# KiCad board type-c-card_lexxpluss_2023.kicad_pcb
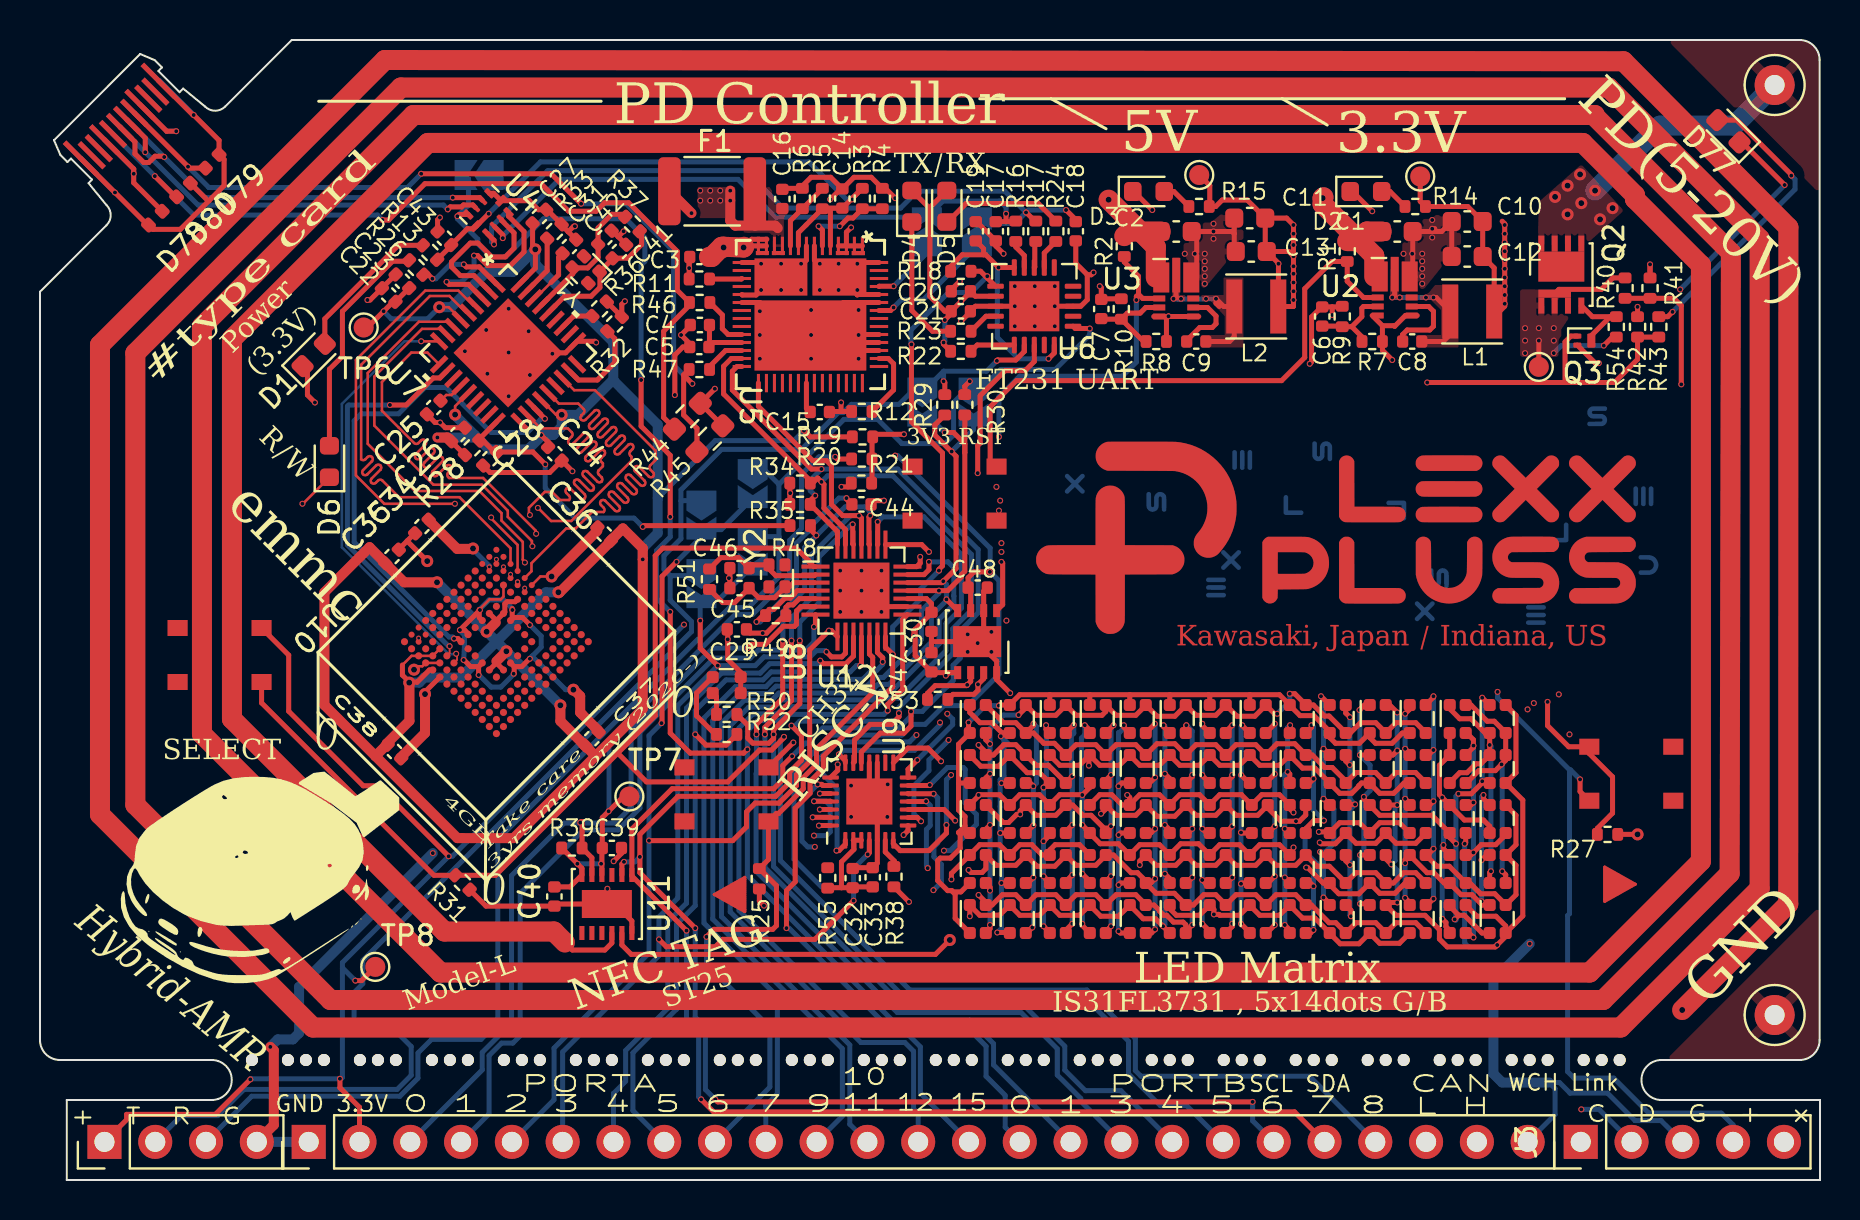
[diagram p0: board, top side]
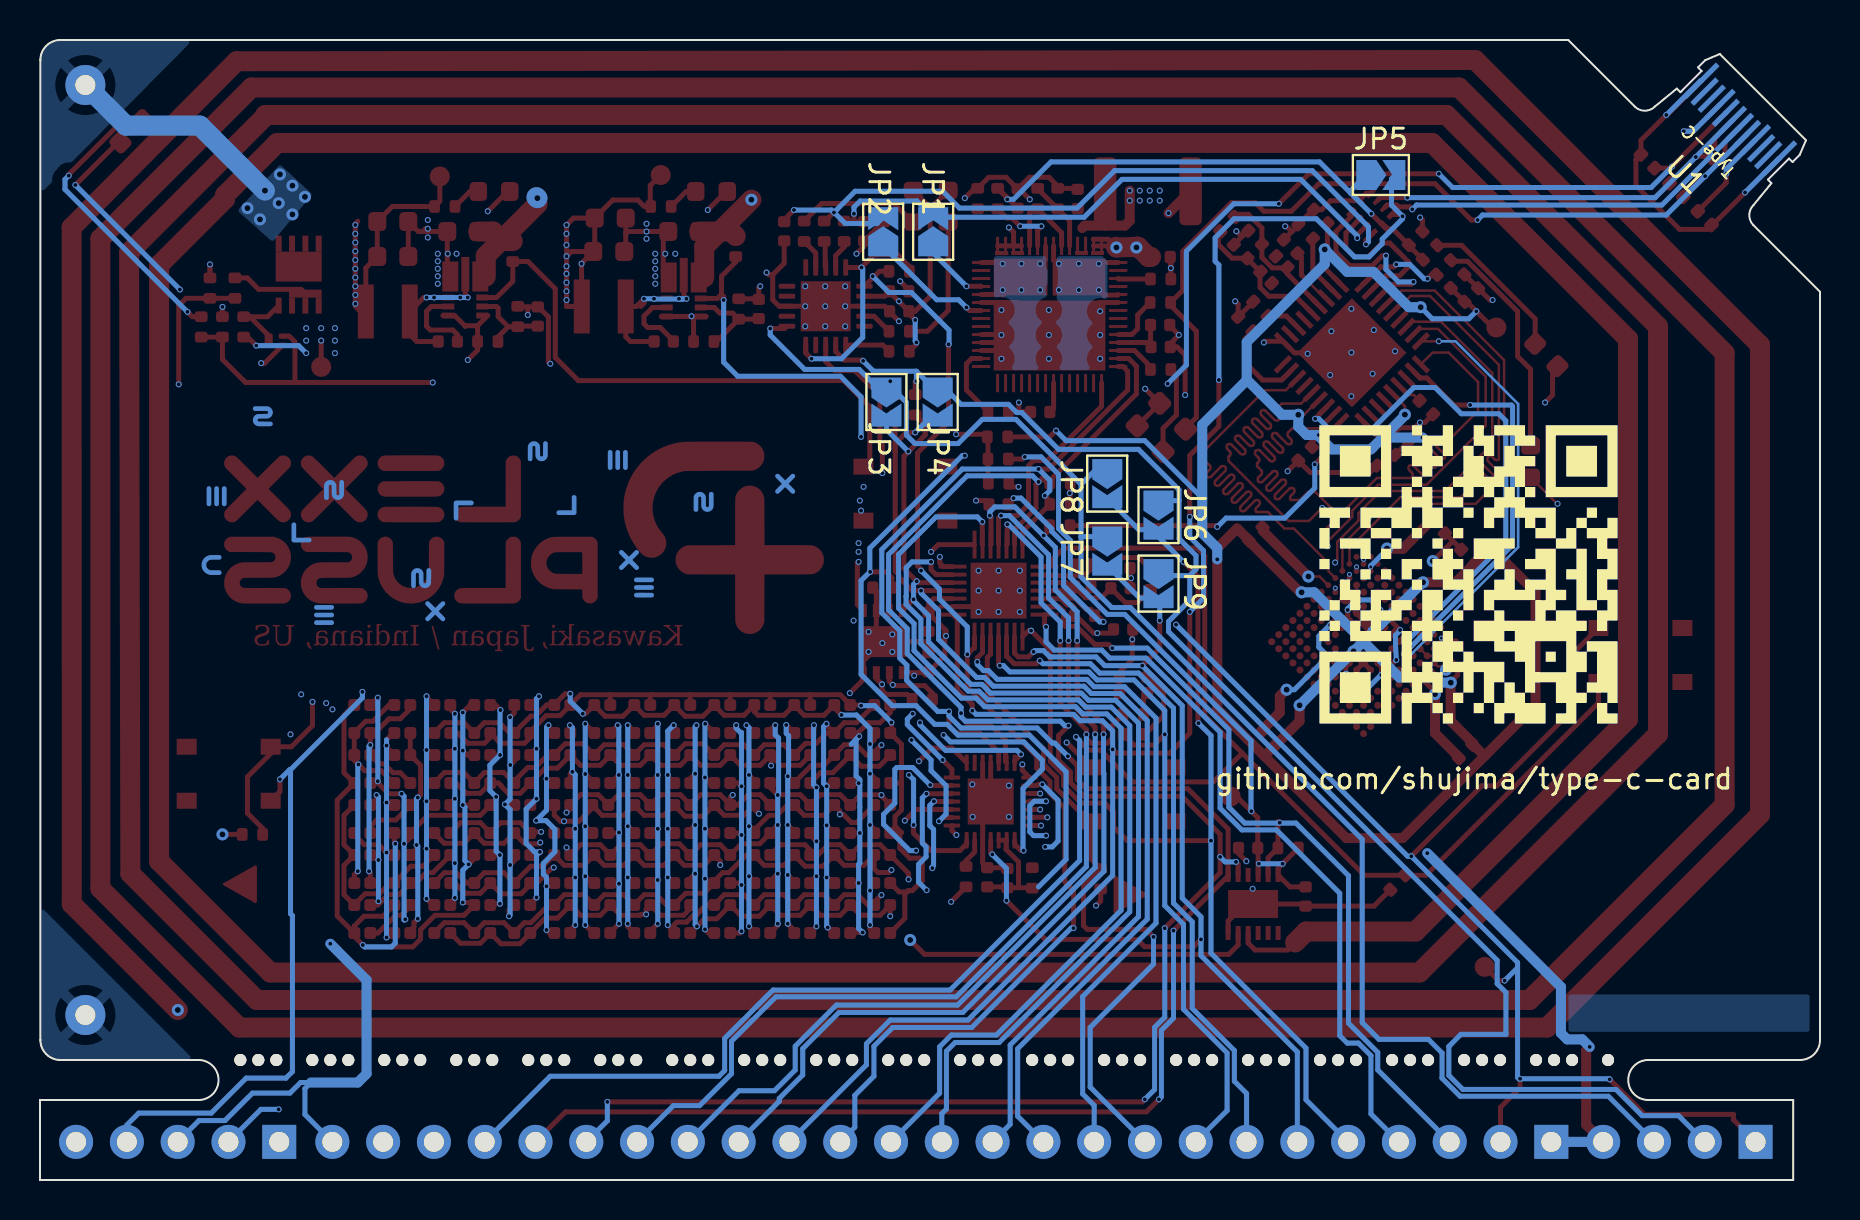
[diagram p1: board, bottom side, seen from below]

Outline 89.02 x 57 mm; copper layers: Top, In1.Cu, In2.Cu, Bottom. Coordinates in mm from the lower left corner of the outline.
Outline path: 0,44.41 3.33,47.74 arc(3.54,48.24) 3.33,48.74 2.43,49.84 2.6,50.02 1.55,51.07 1.37,50.9 1.02,51.25 0.7,51.99 5.01,56.3 5.74,55.99 6.1,55.63 5.92,55.45 6.98,54.39 7.16,54.57 8.26,53.67 arc(8.76,53.46) 9.26,53.67 12.59,57 88,57 arc(88.71,56.71) 89,56 89,7 arc(88.71,6.29) 88,6 81.09,6 arc(80.09,5) 81.09,4 89.02,4 89.02,0 1.34,0 1.34,4 8.59,4 arc(9.59,5) 8.59,6 1,6 arc(0.29,6.29) 0,7 0,44.41
Stack: Top 0.035mm / dielectric 0.11mm FR4 er 4.5 / In1.Cu 0.035mm / dielectric 0.4mm FR4 er 4.5 / In2.Cu 0.035mm / dielectric 0.11mm FR4 er 4.5 / Bottom 0.035mm

## Placement (name value [footprint] x y rotation side)
C1  10u  [C_0603_1608Metric]  67.88 47.42 0 top
C2  10u  [C_0603_1608Metric]  56.82 47.42 0 top
C3  1u  [C_0402_1005Metric]  32.97 46.15 180 top
C4  10u  [C_0402_1005Metric]  33 42.75 180 top
C5  10u  [C_0402_1005Metric]  32.97 41.65 180 top
C6  33p  [C_0402_1005Metric]  64.12 43.17 90 top
C7  47p  [C_0402_1005Metric]  53.07 43.55 90 top
C8  0.1u  [C_0402_1005Metric]  68.62 41.92 180 top
C9  0.1u  [C_0402_1005Metric]  57.82 41.92 180 top
C10  22u  [C_0603_1608Metric]  71.38 47.92 180 top
C11  22u  [C_0603_1608Metric]  60.5 48.09 180 top
C12  22u  [C_0603_1608Metric]  71.38 46.17 180 top
C13  22u  [C_0603_1608Metric]  60.57 46.42 180 top
C14  10u  [C_0402_1005Metric]  40.12 49.07 90 top
C15  10u  [C_0402_1005Metric]  39 38.4 0 top
C16  10u  [C_0402_1005Metric]  37.12 49.05 90 top
C17  47p  [C_0402_1005Metric]  47.8 47.44 90 top
C18  47p  [C_0402_1005Metric]  51.8 47.44 270 top
C19  0.1u  [C_0402_1005Metric]  46.8 47.44 270 top
C20  0.1u  [C_0402_1005Metric]  46.05 44.44 0 top
C21  4.7u  [C_0402_1005Metric]  46.05 43.44 0 top
C22  4.7u  [C_0402_1005Metric]  17.44 44.25 135 top
C23  0.1u  [C_0402_1005Metric]  18.12 44.94 135 top
C24  0.1u  [C_0402_1005Metric]  25.75 36.31 315 top
C25  1u  [C_0402_1005Metric]  19.69 38.62 225 top
C26  0.1u  [C_0402_1005Metric]  20.9 37.28 45 top
C27  0.1u  [C_0402_1005Metric]  24.97 48.17 45 top
C28  1u  [C_0402_1005Metric]  22.5 36.06 225 top
C29  4.7u  [C_0402_1005Metric]  34.85 27.53 180 top
C30  0.1u  [C_0402_1005Metric]  44.58 27.91 270 top
C31  1u  [C_0402_1005Metric]  26.47 46.67 45 top
C32  4.7u  [C_0402_1005Metric]  40.64 15.09 90 top
C33  0.1u  [C_0402_1005Metric]  41.64 15.14 90 top
C34  2.2u  [C_0402_1005Metric]  19.1 32.67 225 top
C35  2.2u  [C_0402_1005Metric]  17.61 31.17 45 top
C36  2.2u  [C_0402_1005Metric]  28.22 32.3 135 top
C37  2.2u  [C_0402_1005Metric]  27.6 22.07 45 top
C38  2.2u  [C_0402_1005Metric]  17.72 21.42 315 top
C39  4.7u  [C_0402_1005Metric]  28.6 16.6 0 top
C40  0.1u  [C_0402_1005Metric]  25.72 14.17 270 top
C41  18p  [C_0402_1005Metric]  28.97 46.42 45 top
C42  18p  [C_0402_1005Metric]  28.25 47.12 225 top
C43  0.1u  [C_0402_1005Metric]  20.22 47.09 135 top
C44  0.1u  [C_0402_1005Metric]  41.08 33.78 180 top
C45  18p  [C_0402_1005Metric]  34.98 29.59 180 top
C46  18p  [C_0402_1005Metric]  34.98 30.59 0 top
C47  0.1u  [C_0402_1005Metric]  44.58 25.89 90 top
C48  0.1u  [C_0402_1005Metric]  46.89 29.62 0 top
D1  LED  [LED_0603_1608Metric]  13.69 41.25 45 top
D2  LED  [LED_0603_1608Metric]  66.31 49.42 0 top
D3  LED  [LED_0603_1608Metric]  55.44 49.42 0 top
D4  LED  [LED_0603_1608Metric]  43.6 48.69 90 top
D5  LED  [LED_0603_1608Metric]  45.35 48.69 90 top
D6  LED  [LED_0603_1608Metric]  14.47 35.92 90 top
D7  LED_Dual_AAKK  [MHT194UGBCT]  46.9 23.05 0 top
D8  LED_Dual_AAKK  [MHT194UGBCT]  48.9 23.05 0 top
D9  LED_Dual_AAKK  [MHT194UGBCT]  50.9 23.05 0 top
D10  LED_Dual_AAKK  [MHT194UGBCT]  52.9 23.05 0 top
D11  LED_Dual_AAKK  [MHT194UGBCT]  54.9 23.05 0 top
D12  LED_Dual_AAKK  [MHT194UGBCT]  56.9 23.05 0 top
D13  LED_Dual_AAKK  [MHT194UGBCT]  58.9 23.05 0 top
D14  LED_Dual_AAKK  [MHT194UGBCT]  60.9 23.05 0 top
D15  LED_Dual_AAKK  [MHT194UGBCT]  62.9 23.05 0 top
D16  LED_Dual_AAKK  [MHT194UGBCT]  46.9 20.55 0 top
D17  LED_Dual_AAKK  [MHT194UGBCT]  48.9 20.55 0 top
D18  LED_Dual_AAKK  [MHT194UGBCT]  50.9 20.55 0 top
D19  LED_Dual_AAKK  [MHT194UGBCT]  52.9 20.55 0 top
D20  LED_Dual_AAKK  [MHT194UGBCT]  54.9 20.55 0 top
D21  LED_Dual_AAKK  [MHT194UGBCT]  56.9 20.55 0 top
D22  LED_Dual_AAKK  [MHT194UGBCT]  58.9 20.55 0 top
D23  LED_Dual_AAKK  [MHT194UGBCT]  60.9 20.55 0 top
D24  LED_Dual_AAKK  [MHT194UGBCT]  62.9 20.55 0 top
D25  LED_Dual_AAKK  [MHT194UGBCT]  46.9 18.05 0 top
D26  LED_Dual_AAKK  [MHT194UGBCT]  48.9 18.05 0 top
D27  LED_Dual_AAKK  [MHT194UGBCT]  50.9 18.05 0 top
D28  LED_Dual_AAKK  [MHT194UGBCT]  52.9 18.05 0 top
D29  LED_Dual_AAKK  [MHT194UGBCT]  54.9 18.05 0 top
D30  LED_Dual_AAKK  [MHT194UGBCT]  56.9 18.05 0 top
D31  LED_Dual_AAKK  [MHT194UGBCT]  58.9 18.05 0 top
D32  LED_Dual_AAKK  [MHT194UGBCT]  61 18.05 0 top
D33  LED_Dual_AAKK  [MHT194UGBCT]  62.9 18.05 0 top
D34  LED_Dual_AAKK  [MHT194UGBCT]  46.9 15.55 0 top
D35  LED_Dual_AAKK  [MHT194UGBCT]  48.9 15.55 0 top
D36  LED_Dual_AAKK  [MHT194UGBCT]  50.9 15.55 0 top
D37  LED_Dual_AAKK  [MHT194UGBCT]  52.9 15.55 0 top
D38  LED_Dual_AAKK  [MHT194UGBCT]  54.9 15.55 0 top
D39  LED_Dual_AAKK  [MHT194UGBCT]  56.9 15.55 0 top
D40  LED_Dual_AAKK  [MHT194UGBCT]  58.9 15.55 0 top
D41  LED_Dual_AAKK  [MHT194UGBCT]  60.9 15.55 0 top
D42  LED_Dual_AAKK  [MHT194UGBCT]  62.9 15.55 0 top
D43  LED_Dual_AAKK  [MHT194UGBCT]  46.9 13.05 0 top
D44  LED_Dual_AAKK  [MHT194UGBCT]  48.9 13.05 0 top
D45  LED_Dual_AAKK  [MHT194UGBCT]  50.9 13.05 0 top
D46  LED_Dual_AAKK  [MHT194UGBCT]  52.9 13.05 0 top
D47  LED_Dual_AAKK  [MHT194UGBCT]  54.9 13.05 0 top
D48  LED_Dual_AAKK  [MHT194UGBCT]  56.9 13.05 0 top
D49  LED_Dual_AAKK  [MHT194UGBCT]  58.9 13.05 0 top
D50  LED_Dual_AAKK  [MHT194UGBCT]  60.9 13.05 0 top
D51  LED_Dual_AAKK  [MHT194UGBCT]  62.9 13.05 0 top
D52  LED_Dual_AAKK  [MHT194UGBCT]  64.9 23.05 0 top
D53  LED_Dual_AAKK  [MHT194UGBCT]  64.9 20.55 0 top
D54  LED_Dual_AAKK  [MHT194UGBCT]  64.9 18.05 0 top
D55  LED_Dual_AAKK  [MHT194UGBCT]  64.9 15.55 0 top
D56  LED_Dual_AAKK  [MHT194UGBCT]  64.9 13.05 0 top
D57  LED_Dual_AAKK  [MHT194UGBCT]  70.9 23.05 0 top
D58  LED_Dual_AAKK  [MHT194UGBCT]  70.9 20.55 0 top
D59  LED_Dual_AAKK  [MHT194UGBCT]  70.9 18.05 0 top
D60  LED_Dual_AAKK  [MHT194UGBCT]  70.9 15.55 0 top
D61  LED_Dual_AAKK  [MHT194UGBCT]  66.9 23.05 0 top
D62  LED_Dual_AAKK  [MHT194UGBCT]  66.9 20.55 0 top
D63  LED_Dual_AAKK  [MHT194UGBCT]  66.9 18.05 0 top
D64  LED_Dual_AAKK  [MHT194UGBCT]  66.9 15.55 0 top
D65  LED_Dual_AAKK  [MHT194UGBCT]  66.9 13.05 0 top
D66  LED_Dual_AAKK  [MHT194UGBCT]  70.9 13.05 0 top
D67  LED_Dual_AAKK  [MHT194UGBCT]  72.9 23.05 0 top
D68  LED_Dual_AAKK  [MHT194UGBCT]  72.9 20.55 0 top
D69  LED_Dual_AAKK  [MHT194UGBCT]  68.9 23.05 0 top
D70  LED_Dual_AAKK  [MHT194UGBCT]  68.9 20.55 0 top
D71  LED_Dual_AAKK  [MHT194UGBCT]  68.9 18.05 0 top
D72  LED_Dual_AAKK  [MHT194UGBCT]  68.9 15.55 0 top
D73  LED_Dual_AAKK  [MHT194UGBCT]  68.9 13.05 0 top
D74  LED_Dual_AAKK  [MHT194UGBCT]  72.9 18.05 0 top
D75  LED_Dual_AAKK  [MHT194UGBCT]  72.9 15.55 0 top
D76  LED_Dual_AAKK  [MHT194UGBCT]  72.9 13.05 0 top
D77  LED  [LED_0603_1608Metric]  84.44 52.44 135 top
D78  D_TVS  [Fuse_0402_1005Metric]  5.77 48.09 45 top
D79  D_TVS  [Fuse_0402_1005Metric]  8.61 50.94 225 top
D80  D_TVS  [Fuse_0402_1005Metric]  7.18 49.5 225 top
D81  LED_Dual_AAKK  [MHT194UGBCT]  34.34 24.74 90 top
F1  750mA  [Fuse_1812_4532Metric]  33.61 49.44 180 top
G***  LOGO  [lexxpluss_logo_30mm]  64.81 32 0 top
G***#2  LOGO  [lexxpluss_amr_24mm]  10.27 15.75 0 top
G***#3  LOGO  [qr_code_shujima_type-c-card]  17.58 30.28 180 bottom
J1  Conn_01x04  [PinHeader_1x04_P2.54mm_Vertical]  3.22 1.91 90 top
J3  Conn_01x05  [PinHeader_1x05_P2.54mm_Vertical]  77.05 1.91 90 top
J4  Conn_01x25  [PinHeader_1x25_P2.54mm_Vertical]  13.44 1.91 90 top
JP1  USB-BC  [SolderJumper-2_P1.3mm_Open_TrianglePad1.0x1.5mm]  44.35 47.41 90 bottom
JP2  USB-BC  [SolderJumper-2_P1.3mm_Open_TrianglePad1.0x1.5mm]  46.85 47.41 90 bottom
JP3  USB-BC  [SolderJumper-2_P1.3mm_Open_TrianglePad1.0x1.5mm]  46.69 38.9 270 bottom
JP4  RX/TX  [SolderJumper-2_P1.3mm_Open_TrianglePad1.0x1.5mm]  44.12 38.9 270 bottom
JP5  USB-BC  [SolderJumper-2_P1.3mm_Open_TrianglePad1.0x1.5mm]  21.96 50.25 180 bottom
JP6  USB-BC  [SolderJumper-2_P1.3mm_Open_TrianglePad1.0x1.5mm]  33.08 33.24 270 bottom
JP7  USB-BC  [SolderJumper-2_P1.3mm_Open_TrianglePad1.0x1.5mm]  35.64 31.44 270 bottom
JP8  USB-BC  [SolderJumper-2_P1.3mm_Open_TrianglePad1.0x1.5mm]  35.64 34.82 270 bottom
JP9  USB-BC  [SolderJumper-2_P1.3mm_Open_TrianglePad1.0x1.5mm]  33.08 29.82 270 bottom
L1  4.7u  [L_Taiyo-Yuden_NR-30xx]  71.62 43.42 180 top
L2  6.8u  [L_Taiyo-Yuden_NR-30xx]  60.82 43.67 180 top
NOREF  -  [lexxpluss_element_l_1,5]  61.69 36.81 270 top
NOREF#2  -  [unnamed]  49.31 6 0 top
NOREF#3  -  [lexxpluss_element_s_1,5]  63.21 28.03 90 top
NOREF#4  -  [lexxpluss_element_e_1]  80.19 34.19 90 top
NOREF#5  -  [unnamed]  27.71 6 0 top
NOREF#6  -  [unnamed]  67.31 6 0 top
NOREF#7  -  [lexxpluss_element_e_1]  58.81 29.62 0 top
NOREF#8  -  [lexxpluss_element_u_1,5]  68.21 37.59 90 top
NOREF#9  -  [lexxpluss_element_l_1]  62.69 33.75 0 top
NOREF#10  -  [lexxpluss_element_e_1]  60.12 36 90 top
NOREF#11  -  [unnamed]  20.51 6 0 top
NOREF#12  -  [lexxpluss_element_s_1,5]  79.94 37.75 90 top
NOREF#13  -  [lexxpluss_element_l_1,5]  62.62 29.94 0 top
NOREF#14  -  [unnamed]  70.91 6 0 top
NOREF#15  -  [lexxpluss_element_u_1,5]  78.69 27.75 180 top
NOREF#16  -  [lexxpluss_element_l_1]  75.94 32.38 90 top
NOREF#17  -  [lexxpluss_element_s_1]  69.96 30.09 90 top
NOREF#18  -  [lexxpluss_element_e_1]  74.81 28.25 0 top
NOREF#19  -  [lexxpluss_element_l_1,5]  49.94 33.94 180 top
NOREF#20  -  [lexxpluss_element_e_1,5]  72.12 38.19 90 top
NOREF#21  -  [unnamed]  63.71 6 0 top
NOREF#22  -  [unnamed]  31.31 6 0 top
NOREF#23  -  [lexxpluss_element_x_1,5]  51.44 28.75 0 top
NOREF#24  -  [lexxpluss_element_e_1,5]  55.62 27.94 90 top
NOREF#25  -  [unnamed]  42.11 6 0 top
NOREF#26  -  [lexxpluss_element_x_1,5]  53.62 38.56 0 top
NOREF#27  -  [unnamed]  56.51 6 0 top
NOREF#28  -  [unnamed]  38.51 6 0 top
NOREF#29  -  [unnamed]  78.1 6 0 top
NOREF#30  -  [lexxpluss_element_s_1]  64.12 36.44 90 top
NOREF#31  -  [unnamed]  13.31 6 0 top
NOREF#32  -  [unnamed]  52.91 6 0 top
NOREF#33  -  [lexxpluss_element_u_1]  80.44 30.75 90 top
NOREF#34  -  [lexxpluss_element_l_1,5]  51 38.56 90 top
NOREF#35  -  [lexxpluss_element_l_1]  67.83 33.47 180 top
NOREF#36  -  [lexxpluss_element_x_1]  69.25 28.44 0 top
NOREF#37  -  [unnamed]  60.11 6 0 top
NOREF#38  -  [lexxpluss_element_s_1]  74.31 34.5 90 top
NOREF#39  -  [lexxpluss_element_x_1]  51.75 34.81 0 top
NOREF#40  -  [unnamed]  24.11 6 0 top
NOREF#41  -  [unnamed]  74.51 6 0 top
NOREF#42  -  [unnamed]  45.71 6 0 top
NOREF#43  -  [lexxpluss_element_s_1]  55.83 33.91 90 top
NOREF#44  -  [lexxpluss_element_s_1]  77.88 38.19 0 top
NOREF#45  -  [unnamed]  16.91 6 0 top
NOREF#46  -  [unnamed]  34.91 6 0 top
NOREF#47  -  [lexxpluss_element_x_1]  59.56 31 0 top
Q2  IRFHM9331TRPBF  [IRFHM9331PbF]  76.08 45.27 90 top
Q3  Q_NMOS_GSD  [SOT-883]  77.23 41.97 0 top
R1  10k  [R_0402_1005Metric]  65.38 46.44 90 top
R2  10k  [R_0402_1005Metric]  54.22 46.69 90 top
R3  20k  [R_0402_1005Metric]  41.12 49.07 270 top
R4  10k  [R_0402_1005Metric]  42.12 49.07 90 top
R5  10k  [R_0402_1005Metric]  39.12 49.07 90 top
R6  10k  [R_0402_1005Metric]  38.12 49.07 90 top
R7  22k  [R_0402_1005Metric]  66.62 41.92 180 top
R8  22k  [R_0402_1005Metric]  55.82 41.92 180 top
R9  68k  [R_0402_1005Metric]  65.12 43.17 90 top
R10  100k  [R_0402_1005Metric]  54.07 43.55 90 top
R11  1M  [R_0402_1005Metric]  32.97 45.05 0 top
R12  10k  [R_0402_1005Metric]  41.1 38.42 180 top
R13  470  [R_0402_1005Metric]  19.5 46.38 135 top
R14  470  [R_0402_1005Metric]  68.78 48.67 180 top
R15  1k  [R_0402_1005Metric]  57.97 48.67 180 top
R16  27  [R_0402_1005Metric]  48.8 47.44 270 top
R17  27  [R_0402_1005Metric]  49.8 47.44 270 top
R18  10k  [R_0402_1005Metric]  46.05 45.44 180 top
R19  0  [R_0402_1005Metric]  41.13 37.16 180 top
R20  0  [R_0402_1005Metric]  41.1 36.05 180 top
R21  0  [R_0402_1005Metric]  41.08 34.84 180 top
R22  10k  [R_0402_1005Metric]  46.05 41.44 0 top
R23  1k  [R_0402_1005Metric]  46.05 42.44 0 top
R24  1k  [R_0402_1005Metric]  50.8 47.44 270 top
R25  100k  [R_0402_1005Metric]  35.97 15.06 270 top
R26  470  [R_0402_1005Metric]  18.81 45.62 135 top
R27  100k  [R_0402_1005Metric]  78.39 17.28 0 top
R28  10k  [R_0402_1005Metric]  21.61 36.61 45 top
R29  0  [R_0402_1005Metric]  45.25 38.76 90 top
R30  0  [R_0402_1005Metric]  46.25 38.76 270 top
R31  100k  [R_0402_1005Metric]  21.12 14.88 315 top
R32  10k  [R_0402_1005Metric]  28.74 42.8 45 top
R33  12k  [R_0402_1005Metric]  25.72 47.42 45 top
R34  1k  [R_0402_1005Metric]  38.01 34.84 0 top
R35  1k  [R_0402_1005Metric]  38.01 33.78 0 top
R36  10k  [R_0402_1005Metric]  27.99 43.56 45 top
R37  1M  [R_0402_1005Metric]  29.63 47.8 135 top
R38  20k  [R_0402_1005Metric]  42.71 15.17 270 top
R39  10k  [R_0402_1005Metric]  26.6 16.6 0 top
R40  22k  [R_0402_1005Metric]  79.27 44.59 90 top
R41  1k  [R_0402_1005Metric]  80.52 44.59 90 top
R42  10k  [R_0402_1005Metric]  79.89 42.66 270 top
R43  470  [R_0402_1005Metric]  80.96 42.66 90 top
R44  5.1k  [R_0603_1608Metric_Pad0.98x0.95mm_HandSolder]  32.38 38.19 45 top
R45  5.1k  [R_0603_1608Metric_Pad0.98x0.95mm_HandSolder]  33.5 37.06 45 top
R46  0  [R_0402_1005Metric]  32.99 43.88 0 top
R47  0  [R_0402_1005Metric]  32.97 40.53 0 top
R48  0  [R_0402_1005Metric]  38.02 32.72 180 top
R49  10k  [R_0402_1005Metric]  36.79 28.22 0 top
R50  470  [R_0402_1005Metric]  34.34 23.28 180 top
R51  1M  [R_0402_1005Metric]  33.48 30.04 90 top
R52  470  [R_0402_1005Metric]  34.34 22.28 180 top
R53  120  [R_0402_1005Metric]  44.89 24.03 180 top
R54  10k  [R_0402_1005Metric]  78.83 42.66 270 top
R55  0  [R_0402_1005Metric]  39.39 15.1 270 top
REF**  -  [drill-hall-0.6]  10.6 6 0 top
REF**1  -  [drill-hall-0.6]  12.4 6 0 top
REF**2  -  [drill-hall-0.6]  14.2 6 0 top
REF**3  -  [drill-hall-0.6]  16 6 0 top
REF**4  -  [drill-hall-0.6]  17.8 6 0 top
REF**5  -  [drill-hall-0.6]  19.6 6 0 top
REF**6  -  [drill-hall-0.6]  21.4 6 0 top
REF**7  -  [drill-hall-0.6]  23.2 6 0 top
REF**8  -  [drill-hall-0.6]  25 6 0 top
REF**9  -  [drill-hall-0.6]  26.8 6 0 top
REF**10  -  [drill-hall-0.6]  28.6 6 0 top
REF**11  -  [drill-hall-0.6]  30.4 6 0 top
REF**12  -  [drill-hall-0.6]  32.2 6 0 top
REF**13  -  [drill-hall-0.6]  34 6 0 top
REF**14  -  [drill-hall-0.6]  35.8 6 0 top
REF**15  -  [drill-hall-0.6]  37.6 6 0 top
REF**16  -  [drill-hall-0.6]  39.4 6 0 top
REF**17  -  [drill-hall-0.6]  41.2 6 0 top
REF**18  -  [drill-hall-0.6]  43 6 0 top
REF**19  -  [drill-hall-0.6]  44.8 6 0 top
REF**20  -  [drill-hall-0.6]  46.6 6 0 top
REF**21  -  [drill-hall-0.6]  48.4 6 0 top
REF**22  -  [drill-hall-0.6]  50.2 6 0 top
REF**23  -  [drill-hall-0.6]  52 6 0 top
REF**24  -  [drill-hall-0.6]  53.8 6 0 top
REF**25  -  [drill-hall-0.6]  55.6 6 0 top
REF**26  -  [drill-hall-0.6]  57.4 6 0 top
REF**27  -  [drill-hall-0.6]  59.2 6 0 top
REF**28  -  [drill-hall-0.6]  61 6 0 top
REF**29  -  [drill-hall-0.6]  62.8 6 0 top
REF**30  -  [drill-hall-0.6]  64.6 6 0 top
REF**31  -  [drill-hall-0.6]  66.4 6 0 top
REF**32  -  [drill-hall-0.6]  68.2 6 0 top
REF**33  -  [drill-hall-0.6]  70 6 0 top
REF**34  -  [drill-hall-0.6]  71.8 6 0 top
REF**35  -  [drill-hall-0.6]  73.6 6 0 top
REF**36  -  [drill-hall-0.6]  75.4 6 0 top
REF**37  -  [drill-hall-0.6]  77.2 6 0 top
REF**38  -  [drill-hall-0.6]  79 6 0 top
SW1  SW_Push  [Switch_Tact_TS-1059U-B3]  45.74 34.32 180 top
SW2  SW_Push  [Switch_Tact_TS-1059U-B3]  34.33 19.28 180 top
SW3  SW_Push  [Switch_Tact_TS-1059U-B3]  79.58 20.31 0 top
SW4  SW_Push  [Switch_Tact_TS-1059U-B3]  8.98 26.25 180 top
TP1  TP_4V5  [TestPoint_Pad_D1.0mm]  57.97 50.25 0 top
TP2  TP_3V3  [TestPoint_Pad_D1.0mm]  69.03 50.17 0 top
TP3  TP_VBUS  [TestPoint_Pad_D1.0mm]  74.96 40.66 0 top
TP4  TestPoint  [TestPoint_Loop_D1.80mm_Drill1.0mm_Beaded]  86.75 54.75 0 top
TP5  TestPoint  [TestPoint_Loop_D1.80mm_Drill1.0mm_Beaded]  86.75 8.25 0 top
TP6  TP_3V3  [TestPoint_Pad_D1.0mm]  16.19 42.62 0 top
TP7  TP_3V3  [TestPoint_Pad_D1.0mm]  29.47 19.17 0 top
TP8  TP_3V3  [TestPoint_Pad_D1.0mm]  16.77 10.66 0 top
U1  -  [USBType-C]  6 51.01 45 bottom
U2  AP63357DV-7  [V-DFN3020-13_DIO]  67.75 44.5 0 top
U3  AP63357DV-7  [V-DFN3020-13_DIO]  56.82 44.45 0 top
U4  ~  [Texas_UQFN-10_1.5x2mm_P0.5mm]  22.42 48.33 135 top
U5  TPS65987DDHRSHR  [RSH56_7P15X7P15_TEX]  38.53 43.27 270 top
U6  FT231XQ  [QFN-20-1EP_4x4mm_P0.5mm_EP2.5x2.5mm]  49.72 43.69 180 top
U7  USB2241-AEZG-06  [QFN36_6X6MC_MCH]  23.41 41.36 315 top
U8  MCP2542FDxMF  [DFN-8-1EP_3x3mm_P0.65mm_EP1.55x2.4mm]  46.87 26.92 270 top
U9  IS31FL3731-QF  [QFN-28-1EP_4x4mm_P0.4mm_EP2.3x2.3mm]  41.47 18.92 90 top
U10  emmc-kioxia  [BGA_NG5D1LBAIL_TRAY_TOS]  22.83 26.92 225 top
U11  -  [ST25DV04K-JFR6D3]  28.35 13.8 90 top
U12  -  [WCH-CH32V203G6U6]  41.08 29.47 0 top
Y1  Crystal_GND24  [Seiko-Epson-X1E0002510046]  27.31 45.51 135 top
Y2  Crystal_GND24  [Seiko-Epson-X1E0002510046]  36.86 30.21 90 top

## Library data of the parts
C1 C2 = -: Description: Unpolarized capacitor; LCSC: C194427; MPN: GRM188R6YA106MA73D; V: 35V
C3 C25 C28 C31 = -: Description: Unpolarized capacitor; LCSC: C307413; MPN: CL05A105KL5NRNC; V: 35V
C4 C5 C14-C16 = -: Description: Unpolarized capacitor; LCSC: C15525; MPN: CL05A106MQ5NUNC; V: 6.3V
C6 = -: Description: Unpolarized capacitor; LCSC: C162097; MPN: GRM1555C1H330GA01D; V: 50V
C7 C17 C18 = -: Description: Unpolarized capacitor; LCSC: C76970; MPN: GRM1555C1H470JA01D; V: 50V
C8 C9 C19 C20 C23 C24 C26 C27 C30 C33 C40 C43 C44 C47 C48 = -: Description: Unpolarized capacitor; LCSC: C307331; MPN: CL05B104KB54PNC; V: 50V
C10-C13 = -: Description: Unpolarized capacitor; LCSC: C2762594; MPN: CL10A226MO7JZNC; V: 16V
C21 C22 C29 C32 C39 = -: Description: Unpolarized capacitor; LCSC: C23733; MPN: CL05A475MP5NRNC; V: 10V
C34-C38 = -: Description: Unpolarized capacitor; LCSC: C12530; MPN: CL05A225MQ5NSNC
C41 C42 C45 C46 = -: Description: Unpolarized capacitor; LCSC: C33149; MPN: GRM1555C1H180JA01D
D1 D2 = -: Description: Light emitting diode; Detail: 3.3V(Red); LCSC: C965799; MPN: XL-1608SURC-06
D3 = -: Description: Light emitting diode; Detail: 5V(Red); LCSC: C965799; MPN: XL-1608SURC-06
D4 = -: Description: Light emitting diode; Detail: RX(Green); LCSC: C965804; MPN: XL-1608UGC-04
D5 = -: Description: Light emitting diode; Detail: TX(Green); LCSC: C965804; MPN: XL-1608UGC-04
D6 = -: Description: Light emitting diode; Detail: Green; LCSC: C965804; MPN: XL-1608UGC-04
D7-D76 D81 = -: Description: Dual LED, cathodes on pins 3 and 4; LCSC: C2764896; MPN: MHT194UGBCT
D77 = -: Description: Light emitting diode; Detail: Red; LCSC: C965804; MPN: XL-1608SURC-06
D78-D80 = -: Description: Bidirectional transient-voltage-suppression diode; LCSC: C207289; MPN: XGD10402KR
F1 = -: Description: Resettable fuse, polymeric positive temperature coefficient; LCSC: C208467; MPN: MF-MSMF075/24-2
J1 = -: Description: Generic connector, single row, 01x04, script generated (kicad-library-utils/schlib/autogen/connector/)
J3 = -: Description: Generic connector, single row, 01x05, script generated (kicad-library-utils/schlib/autogen/connector/)
J4 = -: Description: Generic connector, single row, 01x25, script generated (kicad-library-utils/schlib/autogen/connector/)
JP1-JP9 = -: Description: Jumper, 2-pole, open
L1 = -: Description: Inductor; LCSC: C223112; MPN: NR3010T4R7M; フィールド4: NRH3010T4R7MN
L2 = -: Description: Inductor; LCSC: C87167; MPN: NR3010T6R8M
Q2 = -: Description: P-MOSFET transistor, drain/source/gate; LCSC: C148156; Sim.Device: PMOS; Sim.Pins: 1=D 2=G 3=S; Sim.Type: VDMOS
Q3 = -: Description: N-MOSFET transistor, gate/source/drain; LCSC: C547279; MPN: PMZ1200UPEYL
R1 R2 R4-R6 R12 R18 R22 R28 R32 R36 R39 R42 R49 R54 = -: Description: Resistor; LCSC: C25744; MPN: 0402WGF1002TCE
R3 R38 = -: Description: Resistor; LCSC: C25765; MPN: 0402WGF2002TCE
R7 R8 R40 = -: Description: Resistor; LCSC: C25768; MPN: 0402WGF2202TCE
R9 = -: Description: Resistor; LCSC: C36871; MPN: 0402WGF6802TCE; フィールド5: 0603WAF6802T5E
R10 = -: Description: Resistor; LCSC: C25741; MPN: 0402WGF1003TCE; フィールド5: 0603WAF1003T5E
R11 R37 R51 = -: Description: Resistor; LCSC: C26083; MPN: 0402WGF1004TCE
R13 R14 R26 R43 R50 R52 = -: Description: Resistor; LCSC: C25117; MPN: 0402WGF4700TCE
R15 R23 R24 R34 R35 R41 = -: Description: Resistor; LCSC: C11702; MPN: 0402WGF1001TCE
R16 R17 = -: Description: Resistor; LCSC: C31439; MPN: 0402WGF274JTCE
R19-R21 R29 R30 R46-R48 R55 = -: Description: Resistor; LCSC: C17168; MPN: 0402WGF0000TCE
R25 R27 R31 = -: Description: Resistor; LCSC: C25741; MPN: 0402WGF1003TCE
R33 = -: Description: Resistor; LCSC: C25752; MPN: 0402WGF1202TCE
R44 R45 = -: Description: Resistor; LCSC: C23186; MPN: 0603WAF5101T5E
R53 = -: Description: Resistor; LCSC: C25079; MPN: 0402WGF1200TCE
SW1-SW4 = -: Description: Push button switch, generic, two pins; Detail: Left; LCSC: C145870; MPN: K2-1829UR-B4SW-06